# KiCad board RS64c.kicad_pcb (continued)
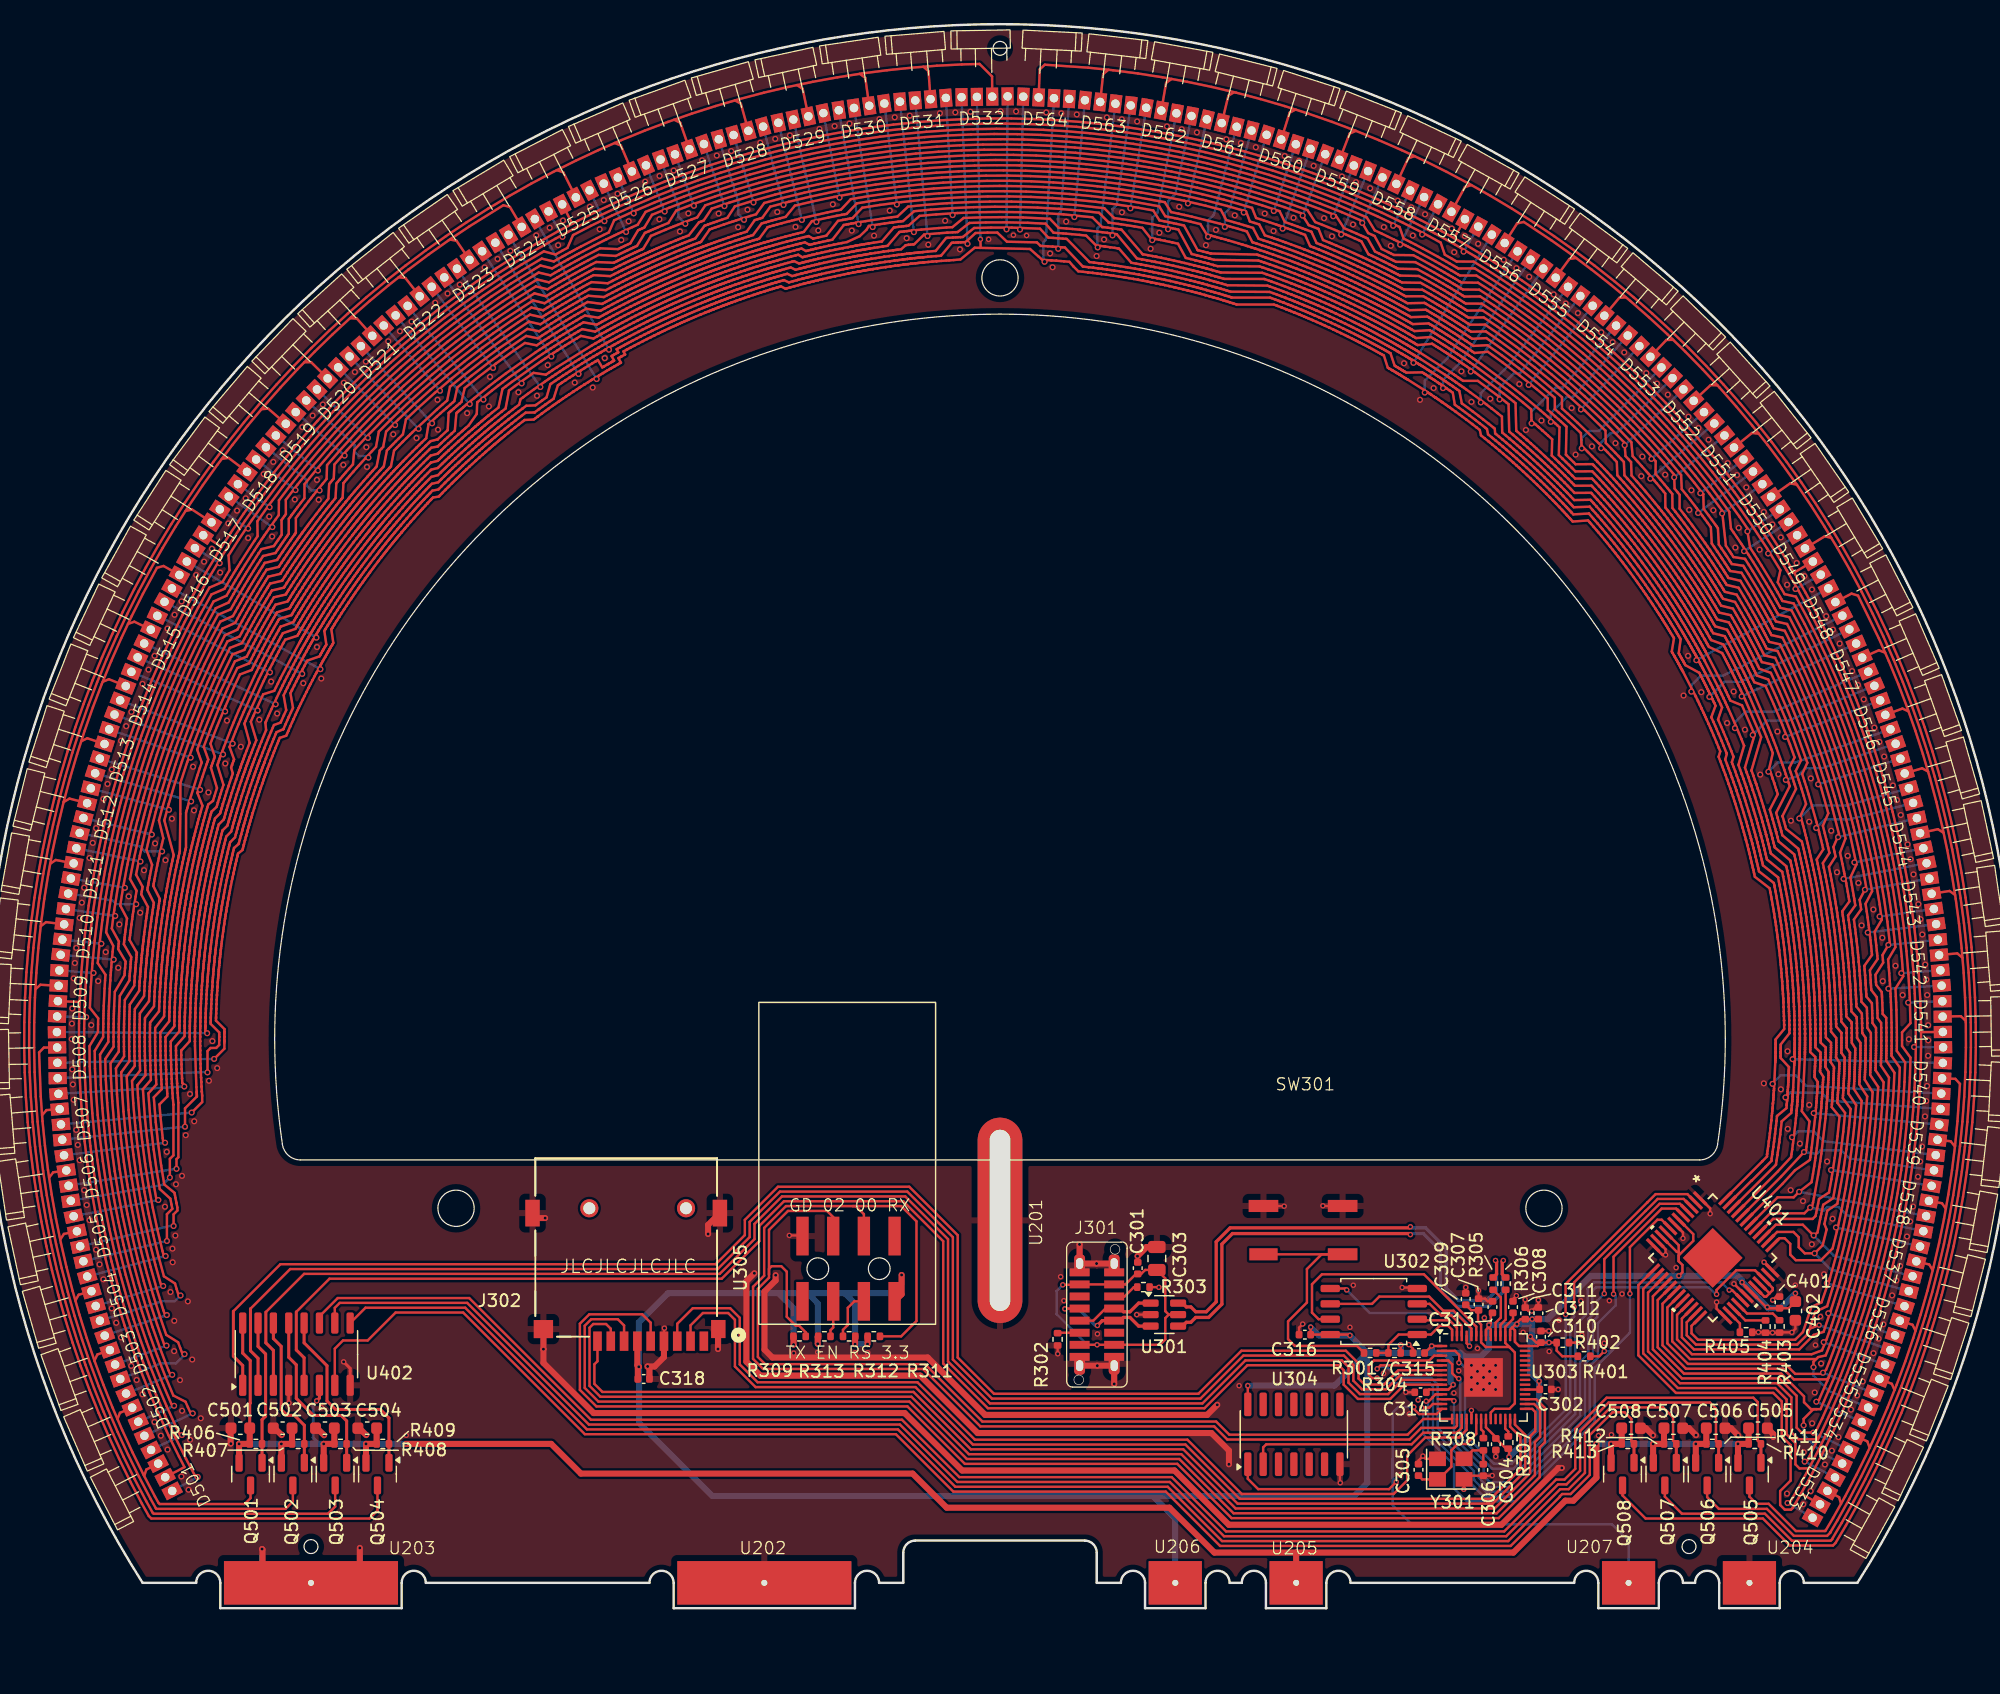
[diagram p0: board, top side]
## Routing (per net, layer and track width the routed paths; a pad name or vN(x,y) marks a point on that pad's centre or on a via; arc(x,y) is an arc through that point) (continued)
LED_B03: length 337.5
  Top w0.2: v2(14.98,29.15) 14.84,29.15 14.82,29.16 14.71,29.57 14.28,31.36 13.9,33.15 13.57,34.96 13.28,36.77 13.04,38.59 12.84,40.41 12.7,42.24 12.64,43.29 13.31,44.11 13.29,44.51 13.28,44.92 13.27,45.32 13.26,45.71 13.25,46.11 13.25,46.5 13.24,46.89 13.24,47.27 13.25,47.66 13.25,48.04 13.25,48.27 13.26,48.34 13.26,48.73 13.27,48.84 14.01,49.82 14.03,50.22 14.05,50.63 14.07,51.03 14.07,51.06 14.09,51.42 14.11,51.67 14.12,51.81 14.14,52.13 14.15,52.2 14.16,52.35 14.17,52.52 14.18,52.59 14.19,52.73 14.2,52.9 14.22,53.11 14.23,53.29 14.24,53.36 14.25,53.51 14.27,53.68 14.29,53.9 14.31,54.08 14.33,54.29 14.35,54.48 14.37,54.64 14.39,54.81 14.41,55.03 14.43,55.2 14.45,55.41 14.48,55.61 14.5,55.8 14.56,56.23 14.57,56.3 14.62,56.69 14.63,56.74 14.65,56.91 14.67,57.08 14.71,57.3 14.73,57.44 14.76,57.68 14.79,57.84 14.8,57.89 14.82,58.06 14.85,58.24 14.89,58.46 14.92,58.64 14.95,58.85 14.97,58.97 14.98,59.04 15.01,59.19 15.04,59.36 15.08,59.57 15.11,59.75 15.15,59.96 15.18,60.12 15.22,60.35 15.3,60.74 15.32,60.81 15.39,61.21 15.4,61.24 15.44,61.43 15.48,61.6 15.52,61.82 15.56,61.98 15.61,62.21 15.64,62.34 14.86,65.2 15.24,66.58 15.76,68.34 16.33,70.08 16.94,71.81 17.59,73.53 18.29,75.22 19.04,76.9 19.82,78.56 20.29,79.48 21.29,79.87 21.48,80.23 21.67,80.58 21.86,80.93 22.05,81.28 22.24,81.63 22.43,81.97 22.63,82.31 22.82,82.64 23.01,82.97 23.14,83.19 23.21,83.3 23.32,83.5 23.36,83.56 23.56,83.89 23.68,84.08 23.77,84.23 24.76,84.46 24.8,84.53 24.97,84.8 25.01,84.86 25.19,85.14 25.22,85.19 25.41,85.48 25.43,85.51 25.63,85.81 25.64,85.83 25.77,86.02 25.85,86.14 26.02,86.4 26.07,86.46 26.15,86.58 26.24,86.72 26.28,86.78 26.36,86.89 26.46,87.03 26.58,87.21 26.68,87.36 26.72,87.41 26.81,87.54 26.91,87.68 27.04,87.86 27.14,88 27.27,88.18 27.38,88.33 27.48,88.46 27.58,88.6 27.71,88.77 27.81,88.91 27.94,89.08 28.06,89.24 28.17,89.39 28.43,89.74 28.5,89.83 28.72,90.11 28.75,90.15 28.85,90.28 28.96,90.42 29,90.46 29.1,90.59 29.19,90.7 29.25,90.78 29.34,90.89 29.44,91.02 29.51,91.1 29.58,91.19 29.69,91.33 29.83,91.5 29.95,91.64 30.09,91.81 30.16,91.9 30.21,91.96 30.31,92.07 30.42,92.21 30.56,92.37 30.67,92.51 30.81,92.67 30.92,92.8 31.07,92.97 31.33,93.27 31.38,93.33 31.65,93.63 31.67,93.65 31.8,93.8 31.92,93.93 32.07,94.09 32.1,94.13 32.33,94.39 32.43,94.49 32.69,95.82 32.85,95.99 32.97,96.11 33.21,97.38 34.2,98.36 35.53,99.62 36.9,100.85 38.29,102.04 39.72,103.2 41.17,104.32 42.65,105.4 44.16,106.44 45.12,107.06 46.09,106.84 46.43,107.06 46.77,107.27 47.11,107.48 47.45,107.69 47.79,107.89 48.13,108.09 48.46,108.28 48.8,108.48 49.13,108.67 49.47,108.86 49.67,108.97 49.73,109 50.07,109.19 51.39,109.09 51.75,109.27 52.11,109.46 52.15,109.48 52.46,109.64 52.49,109.65 52.81,109.81 52.84,109.83 53.04,109.93 53.17,109.99 53.45,110.13 53.52,110.16 53.65,110.22 53.8,110.3 53.87,110.33 54,110.39 54.15,110.46 54.34,110.55 54.5,110.63 54.56,110.65 54.71,110.72 54.86,110.79 55.06,110.88 55.23,110.96 55.42,111.04 55.59,111.12 55.74,111.19 55.9,111.26 56.1,111.34 56.26,111.41 56.45,111.5 56.64,111.57 56.81,111.65 57.21,111.81 57.32,111.86 57.64,111.99 57.69,112.01 57.85,112.07 58.01,112.14 58.06,112.16 58.21,112.22 58.35,112.27 58.44,112.31 58.57,112.36 58.72,112.42 58.82,112.46 58.93,112.5 59.1,112.56 59.31,112.64 59.48,112.71 59.68,112.78 59.79,112.82 59.86,112.85 60,112.9 60.16,112.96 60.37,113.03 60.54,113.09 60.74,113.17 60.89,113.22 61.11,113.3 61.49,113.42 61.56,113.45 61.94,113.58 61.97,113.59 62.16,113.65 62.32,113.7 62.53,113.77 62.59,113.79 62.91,113.89 63.05,113.93 63.71,114.88 63.94,114.95 64.16,115.02 64.33,115.07 65,115.99 66.52,116.4 68.3,116.82 70.1,117.2 71.9,117.54 73.71,117.83 75.53,118.07 77.36,118.26 79.18,118.41 81.02,118.51 82.85,118.56 84.68,118.57 86.52,118.53 88.35,118.44 90.18,118.3 92.01,118.12 93.83,117.89 95.64,117.62 97.45,117.29 99.24,116.93 101.03,116.51 102.81,116.05 104.35,115.6 104.67,114.77 105.06,114.65 105.44,114.53 105.91,113.62 106.5,113.43 106.67,113.37 106.98,113.26 107.04,113.24 107.42,113.11 107.58,113.05 107.64,113.03 108.08,112.87 108.46,112.73 108.67,112.65 108.83,112.59 109.12,112.48 109.2,112.45 109.5,112.33 109.56,112.31 109.78,112.22 109.87,112.19 110.21,112.05 110.24,112.04 110.61,111.89 110.78,111.82 110.82,111.8 110.98,111.74 111.26,111.62 111.34,111.58 111.7,111.43 111.84,111.37 111.91,111.34 112.27,111.18 112.34,111.15 112.65,111.01 112.73,110.98 112.9,110.9 113.02,110.85 113.08,110.82 113.38,110.68 113.44,110.65 113.75,110.51 113.78,110.49 113.99,110.39 114.1,110.34 114.41,110.2 114.45,110.17 114.8,110 114.95,109.93 115.07,109.87 115.17,109.82 115.43,109.69 115.52,109.65 115.63,109.59 115.78,109.51 115.86,109.47 115.98,109.41 116.14,109.33 116.33,109.23 116.49,109.15 116.68,109.05 116.85,108.96 117.03,108.86 117.2,108.77 117.38,108.67 117.56,108.57 119.02,108.58 119.23,108.46 119.42,108.35 119.48,108.31 119.82,108.12 120.01,108.01 120.15,107.92 120.34,107.81 120.49,107.72 120.67,107.61 120.83,107.52 121,107.41 121.16,107.31 121.34,107.2 121.5,107.1 121.67,106.99 121.84,106.89 122,106.78 122.18,106.67 122.34,106.57 122.52,106.45 122.67,106.35 122.86,106.23 124.13,106.23 125.26,105.46 126.74,104.38 128.2,103.26 129.63,102.11 131.02,100.92 132.39,99.7 133.72,98.44 135.65,96.47 v2(135.68,96.25) 135.75,95.35 136.02,95.06 136.2,94.86 136.25,93.74 136.66,93.28 136.77,93.15 136.99,92.89 137.03,92.85 137.29,92.55 137.41,92.41 137.44,92.37 137.75,92 138.01,91.7 138.15,91.52 138.26,91.39 138.45,91.15 138.51,91.08 138.71,90.84 138.75,90.78 138.89,90.6 138.96,90.52 139.18,90.23 139.2,90.21 139.45,89.89 139.56,89.74 139.59,89.71 139.69,89.57 139.88,89.33 139.93,89.26 140.16,88.95 140.25,88.83 140.3,88.77 140.57,88.39 140.83,88.04 140.93,87.89 141.05,87.72 141.24,87.46 141.28,87.41 141.47,87.13 141.5,87.09 141.63,86.91 141.7,86.81 141.89,86.53 141.92,86.48 142.13,86.16 142.23,86.02 142.3,85.91 142.37,85.82 142.52,85.58 142.58,85.5 142.64,85.39 142.74,85.25 142.79,85.18 142.86,85.06 142.95,84.91 143.07,84.73 143.17,84.58 143.28,84.4 143.38,84.24 143.49,84.06 143.6,83.89 143.7,83.72 143.81,83.55 144.8,83.28 145,82.95 145.19,82.62 145.31,82.42 145.34,82.36 145.54,82.02 145.64,81.83 145.73,81.68 145.83,81.49 145.92,81.34 146.02,81.15 146.11,80.99 146.21,80.81 146.3,80.65 146.39,80.47 146.48,80.3 146.58,80.12 146.67,79.94 146.76,79.77 146.86,79.58 146.94,79.42 147.04,79.22 147.12,79.06 147.23,78.86 148.13,78.65 148.92,77 149.66,75.32 150.36,73.63 151.02,71.91 151.64,70.19 152.21,68.44 152.73,66.68 153.41,64.07 152.94,63 153.03,62.61 153.12,62.21 152.57,61.36 152.7,60.75 152.73,60.58 152.79,60.25 152.81,60.19 152.88,59.8 152.91,59.62 152.92,59.57 153,59.1 153.07,58.7 153.11,58.48 153.14,58.31 153.19,58.01 153.2,57.92 153.25,57.61 153.26,57.54 153.29,57.31 153.31,57.21 153.36,56.85 153.36,56.81 153.42,56.42 153.44,56.23 153.45,56.19 153.47,56.02 153.51,55.72 153.52,55.64 153.56,55.25 153.58,55.09 153.59,55.02 153.64,54.56 153.69,54.13 153.7,53.95 153.72,53.74 153.75,53.41 153.76,53.35 153.79,53.02 153.79,52.97 153.81,52.75 153.82,52.63 153.85,52.29 153.85,52.23 153.88,51.85 153.89,51.68 153.9,51.54 153.91,51.43 153.92,51.15 153.93,51.05 153.94,50.75 153.95,50.67 153.96,50.53 153.96,50.36 153.98,49.98 153.98,49.96 154,49.55 154,49.38 154.01,49.15 154.01,48.98 154.46,48.49 154.46,48.4 154.46,48 154.47,47.62 154.47,47.6 154.47,47.24 154.47,47.2 154.47,47.02 154.47,46.95 154.47,46.79 154.75,46.34 154.75,46.17 154.75,45.95 154.74,45.78 154.74,45.57 154.73,45.38 154.73,45.18 154.72,44.99 154.72,44.79 154.71,44.59 154.7,44.39 154.69,44.19 154.69,44 154.68,43.79 154.67,43.6 154.66,43.38 154.65,43.2 154.63,42.98 155.28,41.98 155.17,40.52 154.97,38.69 154.73,36.88 154.45,35.06 154.12,33.26 153.74,31.46 153.31,29.68 152.66,27.33 ; U401.24 141.9,24.06 141.21,23.37 141.21,22.75 141.74,22.22 149.78,22.22 150.42,22.86 151.13,24.94 151.96,25.31 152.66,27.33 ; 152.66,27.33 152.59,27.07 v2(152.4,26.9)
  Bottom w0.2: D528.1 v2(66.09,116.13) ; D520.1 v2(33.96,97.92) ; D512.1 v2(15.25,66.08) ; D536.1 v2(152.4,26.9) ; D544.1 v2(153.33,63.82) ; D560.1 v2(104.16,115.51) ; D504.1 v2(14.98,29.15) ; D552.1 v2(135.68,96.25)
LED_B04: length 321.8
  Top w0.2: U401.37 147.9,30.04 148.48,30.62 148.91,30.62 149.37,30.16 149.37,29.27 149.84,28.8 151.91,28.8 152.88,29.77 153.23,31.16 153.61,32.94 153.95,34.73 154.25,36.53 154.5,38.34 154.7,40.15 154.83,41.64 154.18,42.6 154.19,42.83 154.21,43 154.22,43.23 154.23,43.41 154.24,43.62 154.25,43.81 154.26,44.02 154.27,44.21 154.27,44.41 154.28,44.61 154.29,44.8 154.29,45 154.3,45.19 154.3,45.4 154.31,45.58 154.31,45.79 154.32,45.98 154.04,46.39 154.04,46.57 154.04,46.8 154.04,46.95 154.04,47.02 154.04,47.2 154.04,47.24 154.04,47.6 154.04,47.62 154.03,48.01 153.59,48.56 153.59,48.73 153.59,48.77 153.58,49.14 153.57,49.37 153.57,49.54 153.55,49.94 153.55,49.97 153.53,50.34 153.53,50.51 153.52,50.65 153.51,50.73 153.5,51.03 153.49,51.13 153.48,51.41 153.47,51.52 153.46,51.65 153.45,51.82 153.42,52.21 153.42,52.25 153.39,52.59 153.38,52.71 153.36,52.94 153.36,52.98 153.33,53.32 153.33,53.38 153.3,53.7 153.28,53.91 153.26,54.08 153.21,54.51 153.16,54.97 153.15,55.05 153.14,55.2 153.09,55.58 153.08,55.66 153.04,55.97 153.02,56.13 153.02,56.18 152.99,56.37 152.94,56.76 152.93,56.79 152.88,57.15 152.87,57.25 152.83,57.47 152.82,57.54 152.77,57.86 152.76,57.94 152.71,58.25 152.68,58.41 152.65,58.63 152.58,59.03 152.5,59.49 152.49,59.54 152.46,59.72 152.38,60.11 152.37,60.17 152.31,60.49 152.28,60.67 152.23,60.87 152.15,61.28 152.07,61.66 152.61,62.51 152.53,62.9 152.5,63.04 152.43,63.3 152.35,63.66 152.23,64.13 152.07,64.75 152.52,65.79 151.92,67.92 151.36,69.66 150.76,71.38 150.12,73.09 149.43,74.77 148.7,76.45 147.92,78.1 147.02,78.3 146.92,78.51 146.84,78.67 146.74,78.87 146.66,79.03 146.56,79.22 146.47,79.39 146.38,79.57 146.29,79.74 146.2,79.92 146.1,80.1 146.01,80.27 145.92,80.45 145.83,80.61 145.73,80.79 145.64,80.95 145.54,81.13 145.46,81.29 145.35,81.47 145.27,81.62 145.16,81.81 144.97,82.14 144.94,82.21 144.82,82.4 144.63,82.73 143.65,82.97 143.54,83.16 143.44,83.32 143.33,83.5 143.23,83.67 143.11,83.86 143.02,84.01 142.92,84.17 142.79,84.37 142.71,84.5 142.59,84.68 142.5,84.83 142.42,84.94 142.38,85.02 142.28,85.16 142.22,85.26 142.16,85.35 142.01,85.58 141.95,85.67 141.87,85.79 141.78,85.92 141.56,86.25 141.53,86.28 141.34,86.57 141.27,86.66 141.15,86.85 141.12,86.89 140.93,87.16 140.89,87.21 140.7,87.47 140.58,87.64 140.48,87.79 140.23,88.14 139.95,88.51 139.91,88.57 139.82,88.69 139.58,89 139.54,89.07 139.35,89.31 139.25,89.45 139.22,89.48 139.11,89.63 138.86,89.94 138.85,89.97 138.62,90.26 138.56,90.33 138.41,90.51 138.37,90.57 138.17,90.82 138.12,90.88 137.92,91.12 137.82,91.25 137.68,91.42 137.42,91.73 137.12,92.09 137.08,92.13 136.97,92.27 136.71,92.57 136.67,92.61 136.45,92.87 136.34,93 136.2,93.16 135.92,93.46 135.66,93.76 135.61,94.87 135.43,95.06 135.34,95.16 135.16,95.36 134.9,95.62 134.57,95.97 134.12,96.44 134.09,97.46 132.4,99.1 131.05,100.33 129.66,101.52 128.25,102.67 126.81,103.79 125.34,104.87 124.19,105.67 122.97,105.64 122.77,105.77 122.63,105.87 122.44,105.99 122.28,106.09 122.1,106.21 121.95,106.31 121.77,106.42 121.61,106.52 121.44,106.63 121.27,106.74 121.11,106.84 120.94,106.94 120.78,107.04 120.6,107.15 120.45,107.24 120.27,107.35 120.12,107.44 119.93,107.55 119.79,107.64 119.6,107.75 119.27,107.94 119.21,107.98 119.11,108.03 117.71,108 117.52,108.11 117.36,108.2 117.17,108.3 117,108.39 116.8,108.5 116.64,108.58 116.47,108.67 116.27,108.78 116.13,108.85 115.94,108.95 115.78,109.03 115.66,109.09 115.58,109.13 115.43,109.21 115.32,109.26 115.23,109.31 114.98,109.43 114.88,109.48 114.76,109.54 114.61,109.62 114.26,109.79 114.22,109.81 113.91,109.96 113.81,110.01 113.6,110.1 113.56,110.12 113.25,110.26 113.2,110.29 112.91,110.42 112.84,110.46 112.72,110.51 112.56,110.58 112.47,110.62 112.16,110.76 112.1,110.79 111.74,110.95 111.67,110.97 111.53,111.04 111.17,111.19 111.1,111.22 110.81,111.34 110.66,111.4 110.62,111.42 110.44,111.49 110.08,111.64 110.05,111.65 109.71,111.79 109.62,111.82 109.4,111.91 109.34,111.93 109.04,112.05 108.96,112.08 108.68,112.19 108.52,112.25 108.31,112.33 107.94,112.47 107.49,112.63 107.44,112.64 107.27,112.7 106.9,112.84 106.84,112.86 106.53,112.96 106.36,113.02 106.16,113.09 105.77,113.22 105.39,113.34 104.93,114.24 104.55,114.36 104.42,114.4 104.16,114.47 103.81,114.58 103.34,114.71 102.72,114.89 102.27,115.75 101.01,116.07 99.24,116.49 97.45,116.85 95.66,117.18 93.86,117.45 92.05,117.68 90.23,117.87 88.41,118 86.59,118.09 84.77,118.14 82.95,118.13 81.12,118.08 79.3,117.98 77.48,117.84 75.67,117.65 73.86,117.41 72.06,117.13 70.27,116.8 68.48,116.42 67.03,116.08 66.27,115.15 65.79,115.03 65.44,114.93 65.17,114.86 65.05,114.82 64.84,114.76 64.66,114.71 64.45,114.65 64.28,114.6 63.57,113.64 63.4,113.59 63.18,113.52 63.04,113.48 62.79,113.4 62.67,113.36 62.5,113.31 62.46,113.29 62.29,113.24 62.11,113.18 62.08,113.17 61.72,113.05 61.63,113.02 61.26,112.89 61.04,112.81 60.88,112.76 60.68,112.69 60.51,112.63 60.31,112.55 60.15,112.5 60.01,112.44 59.94,112.42 59.83,112.38 59.63,112.3 59.46,112.24 59.36,112.2 59.25,112.16 59.09,112.1 58.92,112.04 58.88,112.02 58.73,111.96 58.59,111.91 58.44,111.85 58.37,111.82 58.22,111.76 58.17,111.74 58.01,111.67 57.85,111.61 57.8,111.59 57.48,111.46 57.37,111.42 56.98,111.25 56.8,111.18 56.62,111.1 56.43,111.02 56.27,110.95 56.07,110.86 55.92,110.79 55.76,110.73 55.59,110.65 55.4,110.56 55.24,110.49 55.04,110.4 54.89,110.33 54.75,110.26 54.68,110.24 54.53,110.16 54.33,110.07 54.18,110 54.06,109.94 53.99,109.91 53.83,109.83 53.71,109.77 53.64,109.74 53.36,109.6 53.23,109.54 53.03,109.44 53,109.43 52.69,109.27 52.65,109.25 52.35,109.1 52.3,109.07 51.94,108.89 51.59,108.7 51.48,108.65 51.23,108.52 49.94,108.63 49.87,108.59 49.68,108.48 49.34,108.29 49.01,108.1 48.68,107.91 48.34,107.72 48.01,107.52 47.67,107.32 47.34,107.11 47,106.9 46.66,106.69 46.32,106.48 45.98,106.26 45.03,106.48 42.97,105.1 41.5,104.02 40.05,102.92 38.63,101.77 37.25,100.59 35.89,99.37 34.86,98.39 34.6,97.16 34.26,96.81 34,96.56 33.81,96.36 33.72,96.27 33.56,96.11 33.44,95.98 33.28,95.82 33.02,94.5 32.9,94.37 32.75,94.2 32.65,94.1 32.47,93.9 32.38,93.81 32.24,93.64 32.12,93.51 31.99,93.37 31.97,93.34 31.71,93.05 31.66,92.99 31.4,92.69 31.25,92.52 31.14,92.39 31,92.23 30.89,92.09 30.75,91.93 30.63,91.8 30.54,91.68 30.49,91.62 30.42,91.54 30.28,91.37 30.17,91.23 30.1,91.15 30.03,91.06 29.92,90.92 29.8,90.79 29.77,90.75 29.68,90.63 29.58,90.51 29.48,90.38 29.43,90.32 29.33,90.2 29.3,90.15 29.19,90.02 29.09,89.88 29.06,89.84 28.84,89.57 28.77,89.47 28.51,89.13 28.4,88.98 28.28,88.83 28.15,88.66 28.05,88.51 27.92,88.34 27.82,88.21 27.73,88.07 27.62,87.92 27.49,87.75 27.39,87.61 27.26,87.43 27.16,87.29 27.07,87.16 27.03,87.11 26.93,86.96 26.81,86.79 26.72,86.65 26.64,86.54 26.6,86.47 26.5,86.34 26.42,86.22 26.38,86.16 26.2,85.89 26.12,85.78 26,85.59 25.98,85.57 25.79,85.27 25.77,85.24 25.58,84.95 25.55,84.91 25.37,84.63 25.34,84.57 25.16,84.3 25.12,84.23 25.05,84.13 24.95,83.97 24.91,83.89 23.93,83.67 23.73,83.34 23.69,83.28 23.58,83.08 23.51,82.97 23.38,82.75 23.31,82.62 23.19,82.42 23,82.09 22.81,81.75 22.61,81.41 22.42,81.07 22.24,80.73 22.05,80.38 21.86,80.03 21.67,79.67 21.49,79.31 20.51,78.94 19.47,76.8 18.73,75.13 18.03,73.45 17.37,71.75 16.76,70.03 16.2,68.3 16.19,65.74 16.15,62.65 16.11,62.47 16.06,62.25 16.03,62.11 15.98,61.89 15.94,61.73 15.9,61.51 15.86,61.34 15.82,61.15 15.82,61.12 15.74,60.73 15.72,60.66 15.65,60.27 15.6,60.04 15.57,59.88 15.53,59.67 15.5,59.49 15.46,59.28 15.43,59.11 15.41,58.97 15.4,58.89 15.38,58.78 15.34,58.57 15.31,58.39 15.27,58.17 15.25,58 15.22,57.82 15.21,57.77 15.19,57.62 15.15,57.38 15.13,57.23 15.1,57.02 15.08,56.85 15.05,56.68 15.04,56.63 14.99,56.24 14.98,56.17 14.93,55.75 14.91,55.56 14.88,55.36 14.86,55.15 14.84,54.98 14.81,54.77 14.79,54.6 14.78,54.43 14.76,54.25 14.74,54.04 14.72,53.86 14.7,53.64 14.68,53.47 14.67,53.32 14.66,53.25 14.65,53.08 14.63,52.86 14.61,52.7 14.6,52.56 14.6,52.48 14.59,52.31 14.57,52.17 14.57,52.1 14.55,51.78 14.54,51.64 14.52,51.39 14.5,51.04 14.5,51 14.48,50.6 14.46,50.21 14.44,49.8 14.44,49.68 14.43,49.4 13.69,48.46 13.69,48.33 13.68,48.26 13.68,48.04 13.68,47.65 13.67,47.27 13.67,46.89 13.68,46.5 13.68,46.11 13.69,45.72 13.7,45.32 13.71,44.93 13.72,44.53 13.74,44.13 13.76,43.73 13.09,42.96 13.26,40.54 13.45,38.73 13.69,36.92 13.98,35.12 14.23,33.74 14.27,33.78 v2(14.37,33.78)
  Bottom w0.2: D513.1 v2(17.05,70.39) ; D553.1 v2(132.06,99.21) ; D545.1 v2(151.68,68.19) ; D537.1 v2(153.15,31.51) ; D529.1 v2(70.72,116.74) ; D521.1 v2(37.67,100.76) ; D505.1 v2(14.37,33.78) ; D561.1 v2(99.55,116.26)
LED_B05: length 321.9
  Top w0.2: U401.40 147.95,32.22 151.23,32.22 151.46,32.46 151.51,32.69 151.6,33.08 151.68,33.47 151.75,33.87 152.58,34.41 152.78,35.52 153.06,37.29 153.29,39.06 153.45,40.68 152.8,41.47 152.82,41.72 152.84,41.87 152.85,42.12 152.87,42.28 152.88,42.51 152.89,42.68 152.91,42.91 152.92,43.08 152.93,43.3 152.94,43.48 152.95,43.69 152.96,43.87 152.97,44.08 152.98,44.26 152.98,44.46 152.99,44.65 153,44.78 152.72,45.19 152.72,45.23 152.73,45.44 152.73,45.61 152.74,45.82 152.74,46 152.74,46.2 152.75,46.4 152.75,46.58 152.75,46.8 152.32,47.24 152.32,47.49 152.32,47.61 152.31,47.9 152.31,47.98 152.31,48.3 152.31,48.36 152.3,48.7 152.3,48.74 152.29,49.1 152.28,49.33 152.28,49.5 152.26,49.89 152.26,49.91 152.25,50.28 152.24,50.45 152.23,50.58 152.23,50.67 152.21,50.95 152.21,51.05 152.19,51.33 152.18,51.43 152.17,51.57 152.16,51.73 152.14,52.11 152.13,52.16 152.11,52.49 152.1,52.61 152.08,52.83 152.08,52.87 152.05,53.2 152.04,53.26 152.01,53.58 151.99,53.78 151.97,53.95 151.93,54.37 151.88,54.83 151.87,54.9 151.86,55.05 151.81,55.43 151.8,55.5 151.76,55.8 151.74,55.97 151.74,56.01 151.71,56.19 151.66,56.58 151.65,56.61 151.6,56.96 151.59,57.06 151.56,57.28 151.55,57.35 151.5,57.66 151.49,57.74 151.44,58.04 151.41,58.2 151.38,58.42 151.31,58.8 151.23,59.26 151.22,59.31 151.19,59.49 151.12,59.87 151.11,59.92 151.04,60.25 151.01,60.41 150.97,60.62 150.89,61.01 150.81,61.39 150.79,61.47 150.74,61.69 150.72,61.78 150.66,62.07 150.64,62.17 150.57,62.45 150.54,62.58 150.48,62.84 150.4,63.18 150.33,63.45 149.03,64.5 148.97,64.72 148.86,65.1 148.75,65.49 148.73,65.57 149.85,67.81 149.74,68.17 149.67,68.39 149.54,68.77 149.42,69.15 149.29,69.53 149.73,70.41 149.35,71.48 148.7,73.14 148.01,74.8 147.33,76.32 146.4,76.64 146.29,76.86 146.22,77.01 146.12,77.22 146.04,77.37 145.94,77.58 145.87,77.73 145.77,77.93 145.69,78.09 145.59,78.29 145.51,78.45 145.41,78.63 145.33,78.8 145.23,78.98 145.15,79.15 145.05,79.32 144.96,79.49 144.87,79.66 144.78,79.83 144.69,79.99 144.6,80.17 144.51,80.33 144.41,80.51 144.33,80.66 144.23,80.84 144.15,80.99 143.17,81.26 143.09,81.39 143.05,81.46 142.96,81.61 142.9,81.71 142.85,81.81 142.75,81.96 142.71,82.03 142.64,82.15 142.55,82.31 142.44,82.49 142.34,82.65 142.24,82.82 142.13,82.99 142.01,83.18 141.92,83.33 141.82,83.49 141.7,83.68 141.62,83.81 141.51,83.99 141.41,84.13 141.34,84.24 141.29,84.31 141.2,84.45 141.14,84.55 141.08,84.64 140.93,84.87 140.87,84.96 140.8,85.07 140.71,85.2 140.49,85.52 140.47,85.56 140.28,85.83 140.21,85.93 140.09,86.11 140.06,86.15 139.87,86.42 139.84,86.47 139.65,86.73 139.54,86.89 139.43,87.03 139.18,87.38 138.91,87.74 138.87,87.8 138.78,87.92 138.55,88.23 138.51,88.29 138.32,88.53 138.22,88.66 138.2,88.7 138.08,88.84 137.85,89.15 137.83,89.17 137.61,89.46 137.55,89.53 137.41,89.71 137.36,89.76 137.17,90.01 137.12,90.07 136.92,90.3 136.82,90.43 136.68,90.6 136.43,90.9 136.13,91.26 136.1,91.3 135.98,91.43 135.73,91.72 135.69,91.77 135.48,92.02 135.37,92.15 135.23,92.3 134.96,92.6 134.7,92.89 134.65,92.95 134.49,93.12 134.43,93.19 134.23,93.41 134.16,93.48 133.97,93.69 133.88,93.79 133.7,93.98 133.45,94.24 133.12,94.58 133.02,94.69 131.62,94.68 131.44,94.85 131.16,95.13 130.88,95.41 130.82,95.47 130.86,97.79 130.74,97.9 130.39,98.22 130.22,98.38 129.92,98.65 129.62,98.92 129.31,99.18 129.31,100.12 128.4,100.9 127,102.02 125.58,103.1 124.36,103.98 123.26,103.89 123.05,104.03 122.92,104.12 122.72,104.25 122.58,104.35 122.39,104.48 122.25,104.57 122.06,104.69 121.92,104.79 121.73,104.91 121.58,105.01 121.41,105.12 121.25,105.22 121.08,105.33 120.92,105.43 120.75,105.54 120.59,105.64 120.43,105.74 120.26,105.85 120.1,105.94 119.93,106.05 119.78,106.14 119.6,106.25 119.46,106.33 118.15,106.27 118.01,106.35 117.94,106.39 117.79,106.48 117.69,106.54 117.6,106.59 117.44,106.68 117.37,106.72 117.25,106.78 117.09,106.87 116.9,106.97 116.74,107.07 116.56,107.16 116.39,107.26 116.19,107.36 116.04,107.44 115.87,107.53 115.67,107.64 115.53,107.71 115.34,107.81 115.19,107.88 115.08,107.94 115,107.98 114.85,108.06 114.74,108.11 114.65,108.16 114.41,108.28 114.31,108.33 114.19,108.39 114.05,108.46 113.7,108.63 113.66,108.65 113.36,108.79 113.25,108.84 113.05,108.93 113.01,108.95 112.71,109.09 112.66,109.12 112.37,109.25 112.3,109.28 112.19,109.33 112.03,109.41 111.94,109.44 111.64,109.58 111.58,109.61 111.21,109.77 111.16,109.79 111.02,109.85 110.84,109.93 110.67,110 110.59,110.03 110.47,110.08 110.32,110.15 110.17,110.21 110.09,110.24 109.95,110.3 109.59,110.44 109.57,110.46 109.23,110.59 109.14,110.63 108.93,110.71 108.87,110.73 108.58,110.85 108.5,110.87 108.22,110.98 108.06,111.04 107.86,111.12 107.49,111.25 107.05,111.41 107.01,111.43 106.84,111.49 106.48,111.62 106.42,111.64 106.11,111.74 105.95,111.8 105.75,111.87 105.37,111.99 105.25,112.03 101.44,112.12 101.2,112.18 101.16,112.19 100.81,112.28 100.43,112.38 100.35,112.4 99.22,114.44 99.07,114.47 98.6,114.57 98.37,114.62 97.98,114.71 97.58,114.79 97.19,114.86 96.68,115.68 95.46,115.9 93.69,116.17 91.92,116.4 90.13,116.58 88.35,116.71 86.56,116.8 84.77,116.85 82.98,116.84 81.19,116.79 79.4,116.7 77.62,116.56 75.84,116.37 74.06,116.14 72.6,115.91 71.8,115.05 71.61,115.02 71.4,114.97 71.22,114.94 71,114.9 70.6,114.82 69.64,113.6 68.95,113.44 68.54,113.35 68.17,113.56 68.09,113.54 67.87,113.49 67.76,113.46 67.48,113.39 67.37,113.37 67.16,113.31 66.99,113.27 66.77,113.21 66.39,113.11 66.31,113.09 65.97,113 65.71,112.93 65.59,112.89 65.39,112.84 65.31,112.81 65.21,112.79 65.01,112.73 64.84,112.68 64.72,112.64 64.63,112.62 64.54,112.59 64.33,112.53 64.16,112.47 63.94,112.41 63.78,112.36 63.56,112.29 63.43,112.25 63.18,112.17 63.06,112.13 62.89,112.08 62.85,112.07 62.69,112.01 62.48,111.94 62.13,111.83 62.04,111.8 61.75,111.7 61.68,111.67 61.46,111.6 61.31,111.54 61.11,111.47 60.95,111.41 60.75,111.34 60.59,111.28 60.45,111.23 60.38,111.21 60.28,111.17 60.19,111.14 60.02,111.07 59.91,111.03 59.81,111 59.71,110.96 59.55,110.89 59.39,110.83 59.34,110.81 59.2,110.76 59.07,110.71 58.91,110.65 58.84,110.62 58.7,110.56 58.64,110.54 58.49,110.48 58.33,110.42 58.29,110.4 57.97,110.27 57.87,110.22 57.48,110.06 57.31,109.99 57.13,109.91 56.94,109.83 56.78,109.76 56.59,109.68 56.44,109.61 56.29,109.55 56.12,109.47 55.93,109.39 55.77,109.32 55.58,109.23 55.42,109.16 55.29,109.09 55.23,109.07 55.07,108.99 54.88,108.9 54.73,108.83 54.61,108.78 54.54,108.74 54.39,108.67 54.27,108.61 54.2,108.58 53.92,108.44 53.8,108.38 53.61,108.29 53.58,108.27 53.27,108.12 53.23,108.1 52.93,107.95 52.89,107.92 52.54,107.75 52.19,107.56 52.08,107.51 51.84,107.38 51.75,107.33 51.57,107.23 51.42,107.15 51.24,107.05 51.14,107 50.91,106.87 50.78,106.8 49.65,106.98 49.33,106.8 49,106.6 48.67,106.41 48.34,106.21 48.01,106.01 47.68,105.81 47.34,105.6 47.01,105.39 46.68,105.18 46.34,104.96 46.01,104.74 45.67,104.52 44.7,104.72 43.73,104.05 42.28,103 40.86,101.91 39.72,100.98 39.45,99.83 39.31,99.71 39.14,99.57 39,99.45 38.83,99.3 38.6,99.11 38.47,98.99 38.39,98.92 38.31,97.5 38.3,97.5 37.78,97.02 37.48,96.73 36.9,96.59 36.83,96.52 36.74,96.44 36.53,96.24 36.46,96.16 36.3,96.01 36.17,95.89 36.01,95.73 35.73,95.45 35.68,95.4 35.43,95.15 35.24,94.95 35.15,94.87 35,94.71 34.95,94.65 34.88,94.58 34.73,94.43 34.61,94.3 34.52,94.21 34.45,94.14 34.39,94.07 34.24,93.92 34.12,93.78 33.97,93.62 33.85,93.49 33.69,93.33 33.6,93.23 33.43,93.03 33.34,92.94 33.2,92.78 33.08,92.65 32.93,92.49 32.68,92.19 32.63,92.14 32.37,91.85 32.22,91.68 32.12,91.55 31.98,91.39 31.87,91.26 31.73,91.1 31.61,90.95 31.53,90.86 31.48,90.8 31.41,90.71 31.35,90.64 31.24,90.5 31.16,90.41 31.09,90.33 31.03,90.24 30.92,90.11 30.81,89.98 30.78,89.94 30.68,89.82 30.59,89.71 30.49,89.58 30.44,89.52 30.35,89.4 30.31,89.35 30.21,89.22 30.11,89.09 30.08,89.05 29.87,88.78 29.8,88.69 29.54,88.36 29.43,88.21 29.31,88.05 29.19,87.89 29.09,87.75 28.96,87.58 28.86,87.45 28.77,87.31 28.66,87.17 28.54,87 28.44,86.85 28.31,86.68 28.22,86.54 28.13,86.42 28.09,86.37 27.99,86.23 27.87,86.05 27.78,85.92 27.7,85.81 27.66,85.74 27.57,85.61 27.49,85.49 27.45,85.43 27.27,85.17 27.2,85.06 27.08,84.88 27.06,84.86 26.87,84.57 26.85,84.53 26.66,84.25 26.63,84.21 26.46,83.93 26.42,83.88 26.25,83.61 26.21,83.55 26.15,83.44 26.05,83.28 26,83.21 25.95,83.12 25.84,82.95 25.75,82.81 25.64,82.62 25.58,82.53 25.44,82.29 25.38,82.18 24.36,81.87 24.31,81.78 24.22,81.62 24.12,81.45 24.01,81.27 23.93,81.12 23.81,80.92 23.74,80.79 23.55,80.45 23.37,80.11 23.18,79.77 23,79.42 22.82,79.07 22.63,78.72 22.45,78.37 22.27,78.01 22.09,77.65 21.12,77.28 20.64,76.27 19.92,74.64 19.23,72.98 18.68,71.55 19.04,70.48 18.98,70.3 18.91,70.1 18.85,69.93 18.77,69.71 18.72,69.56 19.22,67.88 19.01,67.21 18.89,66.81 18.5,66.52 18.43,66.3 18.4,66.18 18.32,65.91 18.29,65.8 18.23,65.59 18.18,65.42 18.12,65.21 18.04,64.92 18,64.75 17.94,64.53 17.91,64.41 17.84,64.14 17.81,64.03 17.76,63.82 17.71,63.65 17.66,63.44 17.62,63.27 17.59,63.15 17.57,63.05 17.55,62.96 17.5,62.75 17.46,62.58 17.41,62.36 17.37,62.19 17.32,61.97 17.29,61.84 17.24,61.61 17.2,61.46 17.16,61.24 17.12,61.07 17.08,60.86 17,60.48 16.99,60.4 16.91,60.02 16.87,59.8 16.84,59.64 16.8,59.44 16.77,59.26 16.73,59.06 16.7,58.89 16.68,58.75 16.67,58.67 16.65,58.56 16.61,58.35 16.58,58.18 16.55,57.96 16.52,57.79 16.49,57.62 16.49,57.57 16.46,57.42 16.43,57.19 16.41,57.04 16.38,56.83 16.35,56.67 16.33,56.5 16.32,56.45 16.27,56.07 16.26,56 16.21,55.59 16.19,55.4 16.16,55.21 16.14,55 16.12,54.83 16.1,54.62 16.08,54.46 16.06,54.3 16.04,54.11 16.02,53.91 16,53.73 15.98,53.52 15.97,53.35 15.95,53.2 15.95,53.14 15.93,52.97 15.91,52.75 15.9,52.59 15.89,52.46 15.88,52.38 15.87,52.22 15.86,52.08 15.86,52.01 15.83,51.7 15.83,51.56 15.81,51.31 15.79,50.97 15.79,50.93 15.77,50.54 15.75,50.15 15.73,49.75 15.73,49.63 15.72,49.36 15.71,49.26 15.71,49.05 15.7,48.89 15.7,48.67 15.7,48.56 15.69,48.3 15.69,48.16 14.96,47.27 14.96,46.89 14.97,46.51 14.97,46.13 14.98,45.74 14.99,45.36 15,44.97 15.01,44.58 15.03,44.18 15.04,43.79 15.06,43.39 15.09,42.99 15.11,42.59 15.11,42.35 14.47,41.7 14.55,40.67 14.73,38.89 14.79,38.49 14.82,38.52 v2(14.93,38.52)